# Altium PCB MLB_REV1.PcbDoc (part 1 of 3) (continued)
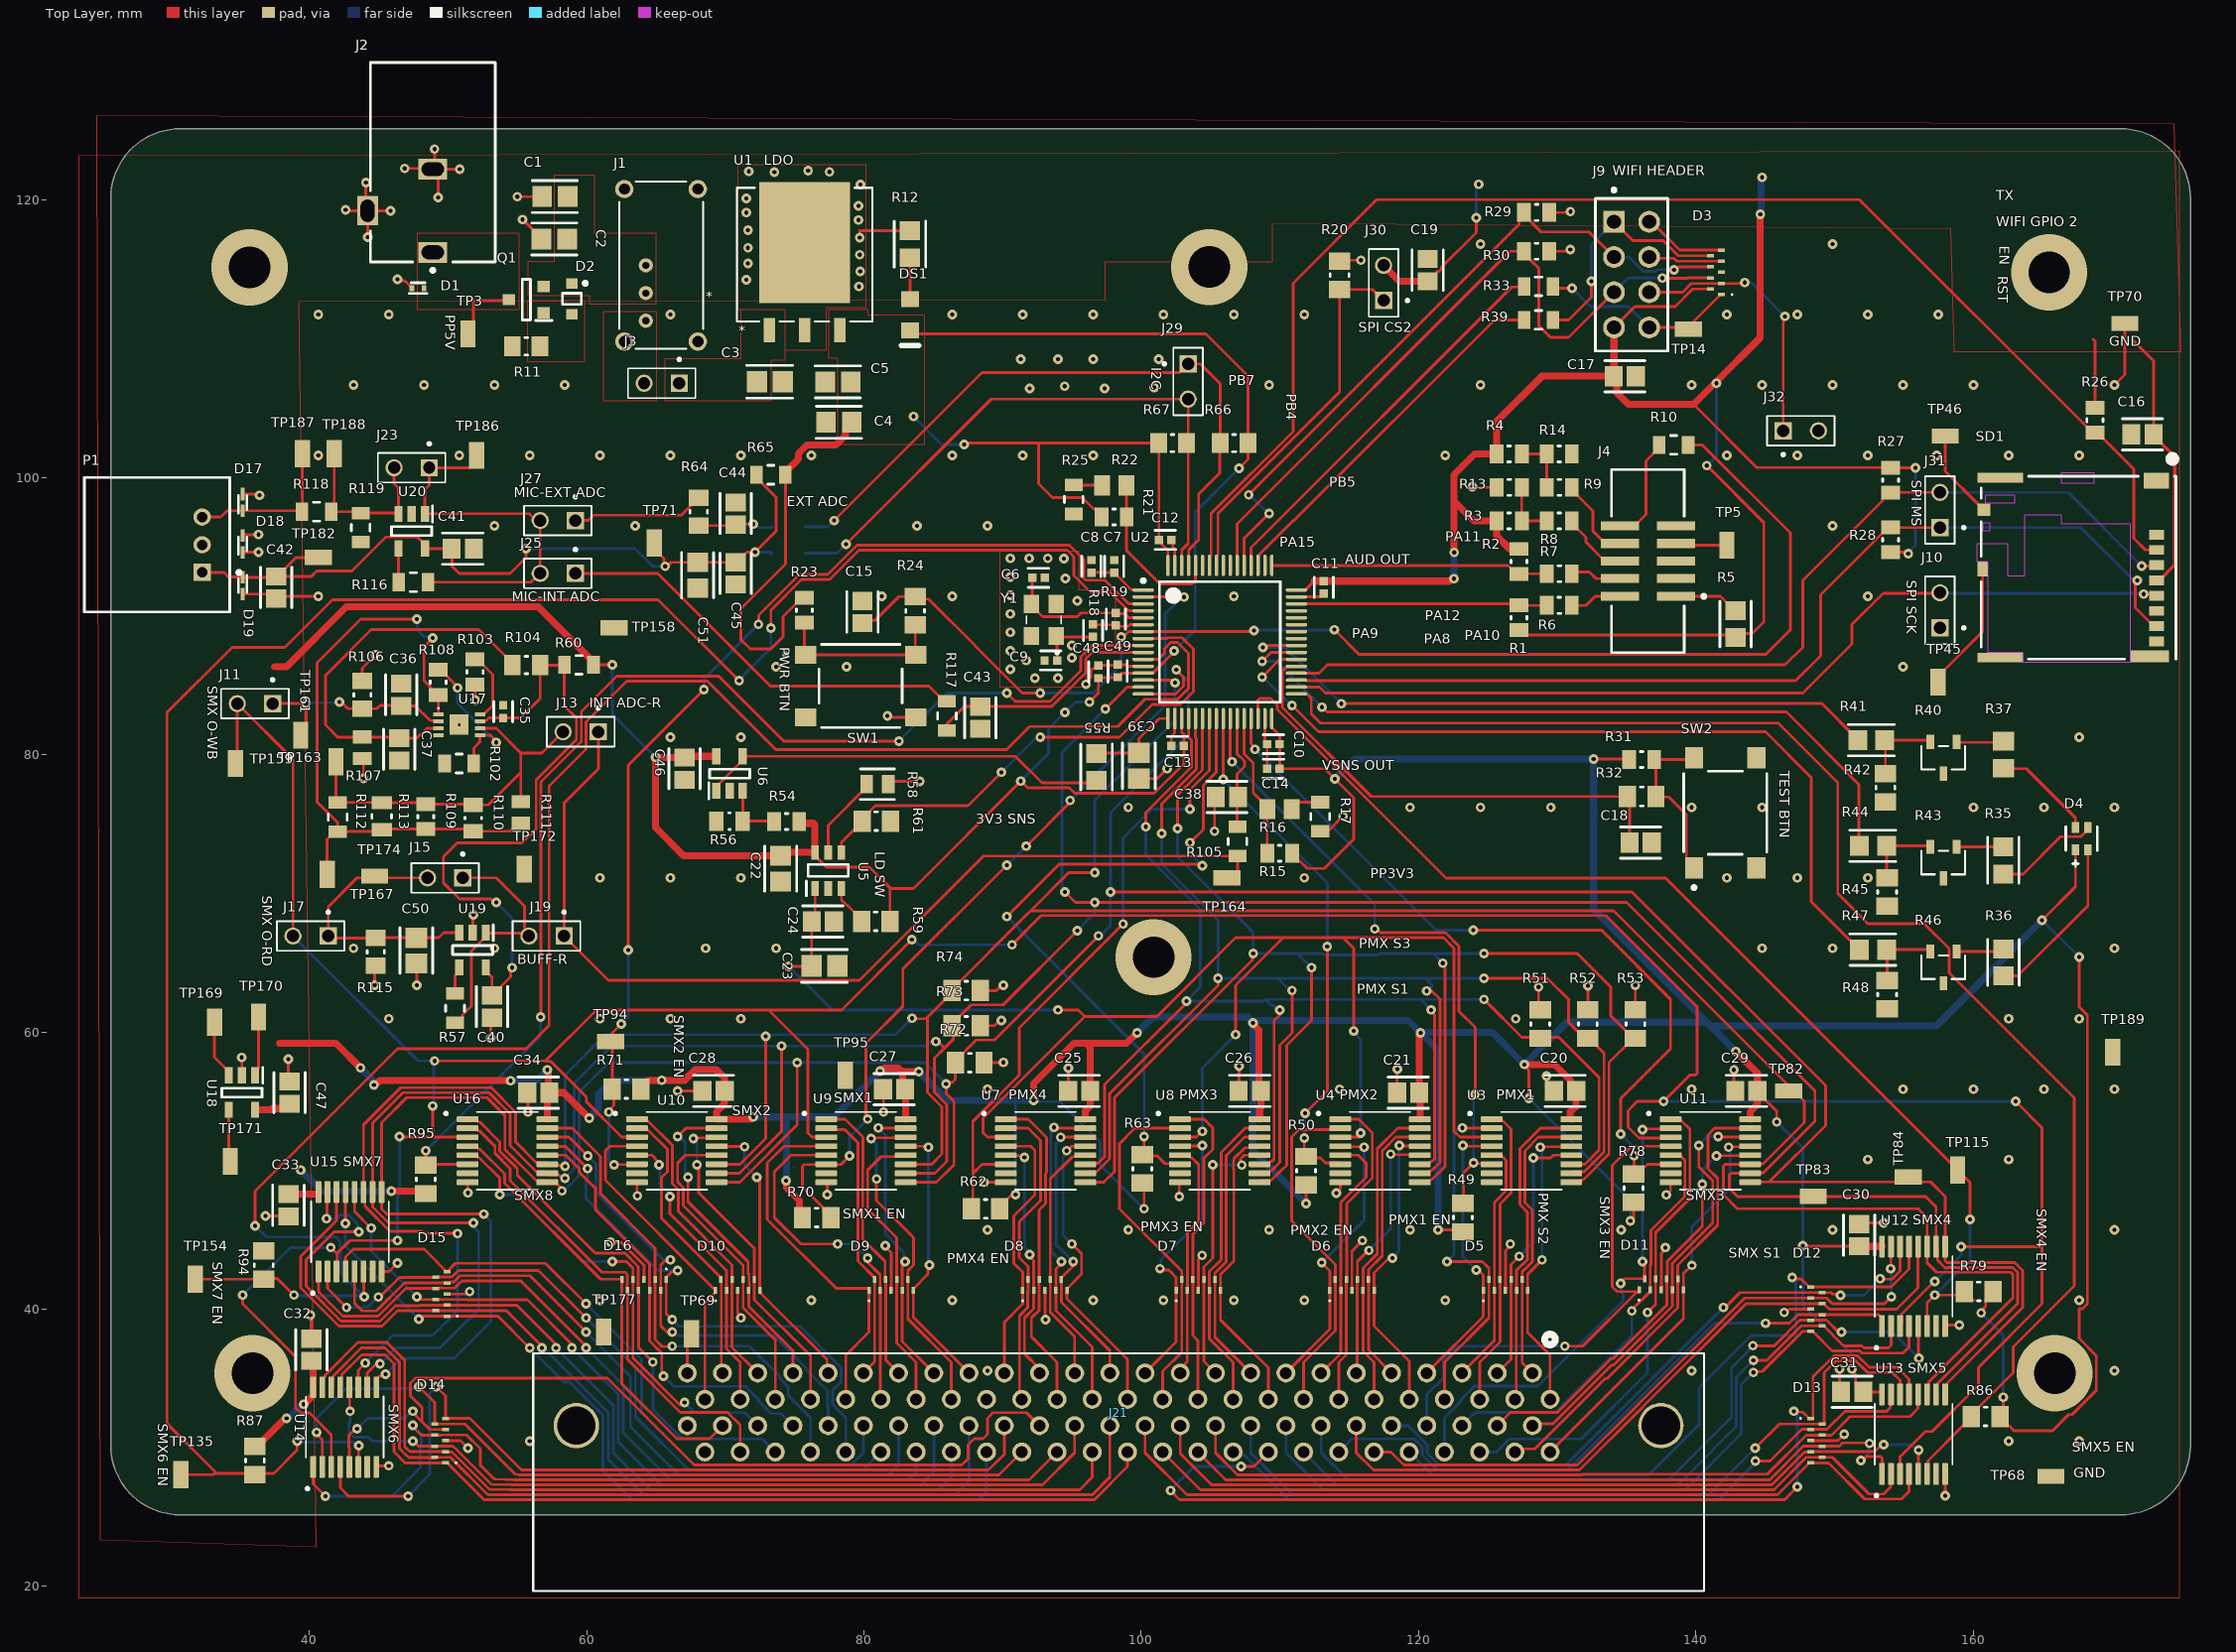
[diagram p0: Top Layer view]
## Components (designator, comment, footprint, x,y, rotation, side; value= is the part's Value field where it differs from the comment) (continued)
TP3 "RCU-0C" TP+195X110 51.435,110.363 r90 top
TP5 "RCU-0C" TP+195X110 142.24,95.123 r90 top
TP14 "RCU-0C" TP+195X110 139.463,110.713 r180 top
TP45 "RCU-0C" TP+195X110 157.477,85.252 r90 top
TP46 "RCU-0C" TP+195X110 157.988,102.997 r180 top
TP68 "RCU-0C" TP+195X110 165.608,27.94 r180 top
TP69 "RCU-0C" TP+195X110 67.564,38.227 r90 top
TP70 "RCU-0C" TP+195X110 170.942,111.125 r180 top
TP71 "RCU-0C" TP+195X110 64.864,95.289 r90 top
TP82 "RCU-0C" TP+195X110 146.685,55.753 r180 top
TP83 "RCU-0C" TP+195X110 148.463,48.133 r180 top
TP84 "RCU-0C" TP+195X110 155.321,49.53 r180 top
TP94 "RCU-0C" TP+195X110 61.722,59.309 r180 top
TP95 "RCU-0C" TP+195X110 78.643,56.879 r90 top
TP115 "RCU-0C" TP+195X110 158.877,50.038 r90 top
TP135 "RCU-0C" TP+195X110 30.734,28.067 r90 top
TP154 "RCU-0C" TP+195X110 31.75,42.164 r90 top
TP158 "RCU-0C" TP+195X110 61.976,89.154 r180 top
TP159 "RCU-0C" TP+195X110 34.671,79.375 r90 top
TP161 "RCU-0C" TP+195X110 39.37,81.407 r90 top
TP163 "RCU-0C" TP+195X110 41.91,79.502 r90 top
TP164 "RCU-0C" TP+195X110 106.172,71.12 r180 top
TP167 "RCU-0C" TP+195X110 41.275,71.374 r90 top
TP169 "RCU-0C" TP+195X110 33.147,60.706 r90 top
TP170 "RCU-0C" TP+195X110 36.322,61.087 r90 top
TP171 "RCU-0C" TP+195X110 34.29,50.673 r90 top
TP172 "RCU-0C" TP+195X110 55.499,71.755 r90 top
TP174 "RCU-0C" TP+195X110 44.704,71.247 r180 top
TP177 "RCU-0C" TP+195X110 61.214,38.354 r270 top
TP182 "RCU-0C" TP+195X110 40.64,94.234 r180 top
TP186 "RCU-0C" TP+195X110 52.07,101.6 r90 top
TP187 "RCU-0C" TP+195X110 39.497,101.727 r90 top
TP188 "RCU-0C" TP+195X110 41.783,101.727 r90 top
TP189 "RCU-0C" TP+195X110 170.053,58.547 r90 top
U1 "MIC37300-3.3WR-TR" S-PAK-3_R_MCH 75.71,116.081 r0 top
U2 "STM32L152RBT6A" STM-LQFP64_L 105.664,88.138 r0 top locked
U3 "NX3L4051PW,118" "SOP65P640X110-16N - duplicate" 128.143,51.435 r0 top
U4 "NX3L4051PW,118" "SOP65P640X110-16N - duplicate" 117.221,51.435 r0 top locked
U5 "AP22615AWU-7" SOT95P280X100-6N 77.413,71.659 r90 top
U6 "MCP6411T-E/OT" SOT95P280X145-5N 70.301,78.644 r90 top
U7 "NX3L4051PW,118" "SOP65P640X110-16N - duplicate" 93.091,51.435 r0 top locked
U8 "NX3L4051PW,118" "SOP65P640X110-16N - duplicate" 105.664,51.435 r0 top
U9 "NX3L4051PW,118" "SOP65P640X110-16N - duplicate" 80.137,51.435 r0 top locked
U10 "NX3L4051PW,118" "SOP65P640X110-16N - duplicate" 66.492,51.435 r0 top locked
U11 "NX3L4051PW,118" "SOP65P640X110-16N - duplicate" 141.046,51.435 r0 top locked
U12 "NX3L4051PW,118" "SOP65P640X110-16N - duplicate" 155.702,41.656 r90 top
U13 "NX3L4051PW,118" "SOP65P640X110-16N - duplicate" 155.702,30.988 r90 top locked
U14 "NX3L4051PW,118" "SOP65P640X110-16N - duplicate" 42.545,31.496 r90 top locked
U15 "NX3L4051PW,118" "SOP65P640X110-16N - duplicate" 42.926,45.593 r90 top locked
U16 "NX3L4051PW,118" "SOP65P640X110-16N - duplicate" 54.28,51.435 r0 top
U17 "MCP6N11T-001E/MNY" TDFN-MN8 50.8,82.169 r0 top
U18 "MCP6411T-E/OT" SOT95P280X145-5N 35.128,55.626 r270 top
U19 "MCP6411T-E/OT" SOT95P280X145-5N 51.765,65.913 r270 top
U20 "MCP6411T-E/OT" SOT95P280X145-5N 47.371,96.139 r270 top
U21 "MCP3221A7T-E/OT" SOT-23-OT5_M 74.549,95.504 r0 bottom
Y1 "ECS-200-9-33B-CKY-TR" XTAL_ECS-260-9-33B-CKY-TR 92.964,89.725 r90 top

## Footprints (in the part's own frame and the unit in brackets; to place one, negate y for a bottom-side part, rotate by r counter-clockwise, add the part's x,y. Pads: shape width x height; smd on the part's side, far side on the other; paste and mask are expansions set on the pad)
CNC_Tech_0_MFG [mm]
  rect 0.65x2.77 smd paste+0 mask+0: 1(-2.54,-2.015) 2(-2.54,2.015) 3(-1.27,-2.015) 4(-1.27,2.015) 5(0,-2.015) 6(0,2.015) 7(1.27,-2.015) 8(1.27,2.015) 9(2.54,-2.015) 10(2.54,2.015)
  silkscreen extent -6.6,-4.16 6.6,2.63, body extent -6.7,-3.5 6.7,3.5, height 0.25
CONN03_MFS_11P8X5P8_NDC [mil]
  round 40 hole 20 mask+0: 1(43.31,78.74) 2(43.31,0) 3(43.31,-78.74)
  round 52 hole 32: 4(104.33,137.8) 5(104.33,-295.28) 6(-104.33,137.8) 7(-104.33,-295.28)
  silkscreen extent -119,-316 119,159, body extent -113,-312 115,152, height 335
CONN100_1-787082-8_TEC [mil]
  round 53.86 hole 34 mask+0: 1(0,0) 2(-50,74.8) 3(-100,0) 4(-150,74.8) 5(-200,0) 6(-250,74.8) 7(-300,0) 8(-350,74.8) 9(-400,0) 10(-450,74.8) 11(-500,0) 12(-550,74.8) 13(-600,0) 14(-650,74.8) 15(-700,0) 16(-750,74.8) 17(-800,0) 18(-850,74.8) 19(-900,0) 20(-950,74.8) 21(-1000,0) 22(-1050,74.8) 23(-1100,0) 24(-1150,74.8) 25(-1200,0) 26(-1250,74.8) 27(-1300,0) 28(-1350,74.8) 29(-1400,0) 30(-1450,74.8) 31(-1500,0) 32(-1550,74.8) 33(-1600,0) 34(-1650,74.8) 35(-1700,0) 36(-1750,74.8) 37(-1800,0) 38(-1850,74.8) 39(-1900,0) 40(-1950,74.8) 41(-2000,0) 42(-2050,74.8) 43(-2100,0) 44(-2150,74.8) 45(-2200,0) 46(-2250,74.8) 47(-2300,0) 48(-2350,74.8) 49(-2400,0) 50(-2450,74.8) 51(0,-149.61) 52(-50,-74.8) 53(-100,-149.61) 54(-150,-74.8) 55(-200,-149.61) 56(-250,-74.8) 57(-300,-149.61) 58(-350,-74.8) 59(-400,-149.61) 60(-450,-74.8) 61(-500,-149.61) 62(-550,-74.8) 63(-600,-149.61) 64(-650,-74.8) 65(-700,-149.61) 66(-750,-74.8) 67(-800,-149.61) 68(-850,-74.8) 69(-900,-149.61) 70(-950,-74.8) 71(-1000,-149.61) 72(-1050,-74.8) 73(-1100,-149.61) 74(-1150,-74.8) 75(-1200,-149.61) 76(-1250,-74.8) 77(-1300,-149.61) 78(-1350,-74.8) 79(-1400,-149.61) 80(-1450,-74.8) 81(-1500,-149.61) 82(-1550,-74.8) 83(-1600,-149.61) 84(-1650,-74.8) 85(-1700,-149.61) 86(-1750,-74.8) 87(-1800,-149.61) 88(-1850,-74.8) 89(-1900,-149.61) 90(-1950,-74.8) 91(-2000,-149.61) 92(-2050,-74.8) 93(-2100,-149.61) 94(-2150,-74.8) 95(-2200,-149.61) 96(-2250,-74.8) 97(-2300,-149.61) 98(-2350,-74.8) 99(-2400,-149.61) 100(-2450,-74.8)
  round 128.74 hole 109: 101(-2764.96,-74.8) 102(314.96,-74.8)
  silkscreen extent -2887,-544 437,185, body extent 0,0 10,10, height 10
CUI-PJ-102BH_V [mm] "THD, 3-Leads, Body 14.4x9mm, Height 11mm"
  rect 1.5x2.1 hole 1 slot 1.6 at 90 deg: 1(-3,0) 2(3,0)
  rect 2.1x1.5 hole 1 slot 1.6 at 0 deg: 3(0,4.7)
  silkscreen extent -4.42,-4.5 10.7,4.5, body extent -3.7,-4.5 10.7,4.9, height 11
DIAL-0805-2_V [mm] "LED, 2-Leads, Body 2x1.25mm"
  rect 1.15x1.3 smd: 1(-1.125,0) 2(1.125,0)
  silkscreen extent -2.2,-0.62 -2.2,0.63, body extent -1.03,-0.63 1.03,0.64, height 0.71
DIOM106X45N#1 [mm]
  rect 0.325x0.4 smd: 1(-0.437,0) 2(0.437,0)
  silkscreen extent -0.64,-0.38 0.61,0.38, body extent -0.5,-0.3 0.5,0.3, height 0.4
DIOM106X45N#2 [mm]
  rect 0.9x0.3 smd: 1(-0.6,0) 2(0.6,0)
  silkscreen extent -0.75,-0.3 0.5,0.3, body extent -0.4,-0.3 0.5,0.3, height 0.45
FP-C0805C-DN-IPC_B [mm]
  rect 1.305x1.456 smd paste+0 mask+0: 1(-0.801,0) 2(0.801,0)
  silkscreen extent -1.45,-1.13 1.45,1.13, body extent -1.7,-0.98 1.7,0.98, height 0.25
FP-CC0402-IPC_B [mm]
  rect 0.6x0.6 smd paste+0 mask+0: 1(-0.452,0) 2(0.452,0)
  silkscreen extent -0.74,-0.69 0.74,0.69, body extent -0.89,-0.44 0.89,0.44, height 0.25
FP-CL21-IPC_A [mm]
  rect 1.455x1.556 smd paste+0 mask+0: 1(-0.926,0) 2(0.926,0)
  silkscreen extent -1.65,-1.18 1.65,1.18, body extent -2.15,-1.28 2.15,1.28, height 0.25
FP-CRCW0805-e3-MFG [mm]
  rect 0.95x1.45 smd paste+0 mask+0: 1(-0.975,0) 2(0.975,0)
  silkscreen extent -0.12,-0.7 0.12,0.7, body extent -1.55,-0.82 1.55,0.82, height 0.25
FP-CRGCQ0805-IPC_C [mm]
  rect 0.906x1.31 smd paste+0 mask+0: 1(-0.776,0) 2(0.776,0)
  silkscreen extent -1.23,-1.1 1.23,1.1, body extent -1.33,-0.8 1.33,0.8, height 0.25
FP-EAST1616RGBB4-MFG [mm]
  rect 0.8x0.55 smd paste+0 mask+0: 1(-0.8,-0.45) 2(-0.8,0.45) 3(0.8,0.45) 4(0.8,-0.45)
  silkscreen extent -0.86,-1.14 2,1.12, body extent -1.3,-0.95 1.3,0.95, height 0.25
FP-GRM21B-0_15-IPC_A [mm]
  rect 1.406x1.508 smd paste+0 mask+0: 1(-0.926,0) 2(0.926,0)
  silkscreen extent -1.63,-1.15 1.63,1.15, body extent -2.13,-1.25 2.13,1.25, height 0.25
FP-PPTC042LFBN-RC-MFG [mm]
  rect 1.57x1.57 hole 1.02 paste-1000 mask+0: 1(-3.81,-1.27)
  round 1.57 hole 1.02 paste-1000 mask+0: 2(-3.81,1.27) 3(-1.27,-1.27) 4(-1.27,1.27) 5(1.27,-1.27) 6(1.27,1.27) 7(3.81,-1.27) 8(3.81,1.27)
  silkscreen extent -6.23,-2.61 5.5,2.61, body extent -5.61,-2.72 5.61,2.72, height 0.25
FP-PTS645SM43SMTR92LFS-MFG [mm]
  rect 1.55x1.3 smd paste+0 mask+0: 1(-3.975,2.25) 2(3.975,2.25) 3(-3.975,-2.25) 4(3.975,-2.25)
  silkscreen extent -5.52,-3 3,3, body extent -4.85,-3.1 4.85,3.1, height 0.25
FP-RMCF0805-IPC_A [mm]
  rect 1.355x1.462 smd paste+0 mask+0: 1(-0.976,0) 2(0.976,0)
  silkscreen extent -1.65,-1.13 1.65,1.13, body extent -2.15,-1.23 2.15,1.23, height 0.25
FP-RMCF0805-MFG [mm]
  rect 0.9x1.3 smd paste+0 mask+0: 1(-1.05,0) 2(1.05,0)
  silkscreen extent -0.23,-0.67 0.22,0.67, body extent -1.6,-0.77 1.6,0.77, height 0.25
MOLX-35363-0360_V [mm] "THD, 3-Leads, Body 10.5x9.7mm, Pitch 2mm"
  rect 1.25x1.25 hole 0.75: 1(-2,-3.25)
  round 1.25 hole 0.75: 2(0,-3.25) 3(2,-3.25)
  silkscreen extent -4.85,-6.03 4.85,5.25, body extent -4.85,-5.25 4.85,5.25, height 5.45
MOLX-503398-1892_V [mm] "CONN, 8-Leads, Body 14.05x13.2mm, Pitch 1.1mm"
  rect 0.7x1.1 smd: 1(-2.38,6.27) 2(-1.28,6.27) 3(-0.18,6.27) 4(0.92,6.27) 5(2.02,6.27) 6(3.12,6.27) 7(4.22,6.27) 8(5.32,6.27)
  rect 1.05x0.78 smd: 9(0.095,-6.27)
  rect 0.9x0.93 smd: 10(-4.17,-6.195)
  rect 0.86x2.8 smd: 11(6.4,5.77)
  rect 0.7x3.3 smd: 12(6.48,-5.01) 13(-6.48,-5.01)
  rect 1.14x1.83 smd: 14(-6.26,6.255)
  Top Layer keep-out region: -6.83,-0.63 -6.13,-0.63 -6.13,1.77 -6.83,1.77
  Top Layer keep-out region: -5.235,-6.08 -4.685,-6.08 -4.685,-3.93 -5.235,-3.93
  Top Layer keep-out region: -3.22,-6.28 -2.67,-6.28 -2.67,-5.73 -3.22,-5.73
  Top Layer keep-out region: 6.83,4.37 6.83,-3.36 6.13,-3.36 6.13,-5.88 -0.43,-5.88 -0.43,-6.66 -1.73,-6.66 -1.73,-4.48 0.57,-4.48 0.57,-3.23 -3.82,-3.23 -3.82,-0.63 -3.17,-0.63 -3.17,4.37
  silkscreen extent -8.09,-6.38 6.6,7.67, body extent -6.55,-6.38 6.55,7.67, height 1.28
ONSC-SOD-323-2-477-02_V [mm] "SOD, 2-Leads, Body 1.7x1.25mm"
  rect 0.75x0.83 smd: 1(-1.115,0) 2(1.115,0)
  silkscreen extent -1.24,-0.67 0.4,1.09, body extent -1.35,-0.67 1.35,0.67, height 0.99
RESC0805(2012)_N [mm] "Chip Resistor, Body 2.0x1.3mm, IPC Medium Density"
  rect 1.05x1.4 smd: 1(-0.95,0) 2(0.95,0)
  silkscreen extent -0.05,-0.6 0.05,0.6, body extent -1.1,-0.67 1.1,0.68, height 0.7
RESC2013X50X30ML20T20 [mm] "Chip Resistor, 2-Leads, Body 2.00x1.25mm, IPC Low Density"
  rect 1.25x1.55 smd: 1(-1.025,0) 2(1.025,0)
  silkscreen extent -0.1,-0.67 0.1,0.67, body extent -1.1,-0.72 1.1,0.72, height 0.5
RESC2013X60X35ML10T20 [mm] "Chip Resistor, 2-Leads, Body 2.1x1.35mm, IPC Low Density"
  rect 1.2x1.45 smd: 1(-1,0) 2(1,0)
  silkscreen extent -0.1,-0.62 0.1,0.62, body extent -1.05,-0.68 1.05,0.67, height 0.6
RESC2013X60X35NL10T20 [mm] "Chip Resistor, 2-Leads, Body 2.1x1.35mm, IPC Medium Density"
  rect 1x1.35 smd: 1(-0.9,0) 2(0.9,0)
  silkscreen extent -0.1,-0.58 0.1,0.58, body extent -1.05,-0.68 1.05,0.67, height 0.6
RESC2013X70X40LL20T20 [mm] "Chip Resistor, 2-Leads, Body 2.00x1.25mm, IPC High Density"
  rect 0.95x1.35 smd: 1(-0.775,0) 2(0.775,0)
  body extent -1.1,-0.72 1.1,0.72, height 0.7
RESC2013X70X40ML20T20 [mm] "Chip Resistor, 2-Leads, Body 2.00x1.25mm, IPC Low Density"
  rect 1.35x1.55 smd: 1(-0.975,0) 2(0.975,0)
  body extent -1.1,-0.72 1.1,0.72, height 0.7
RESC2013X70X40NL20T20 [mm] "Chip Resistor, 2-Leads, Body 2.00x1.25mm, IPC Medium Density"
  rect 1.15x1.45 smd: 1(-0.875,0) 2(0.875,0)
  body extent -1.1,-0.72 1.1,0.72, height 0.7
S-PAK-3_R_MCH [mil]
  rect 33x69 smd paste+0 mask+0: 1(-100,-214.5) 2(0,-214.5) 3(100,-214.5)
  rect 258x344 smd paste+0 mask+0: 4(0,34)
  silkscreen extent -193,-190 192,190, body extent -187,-235 187,185, height 67
"SOP65P640X110-16N - duplicate" [mm]
  rrect25% 1.57x0.41 smd: 1(-2.87,2.275) 2(-2.87,1.625) 3(-2.87,0.975) 4(-2.87,0.325) 5(-2.87,-0.325) 6(-2.87,-0.975) 7(-2.87,-1.625) 8(-2.87,-2.275) 9(2.87,-2.275) 10(2.87,-1.625) 11(2.87,-0.975) 12(2.87,-0.325) 13(2.87,0.325) 14(2.87,0.975) 15(2.87,1.625) 16(2.87,2.275)
  silkscreen extent -4.54,-2.8 2.2,2.8, body extent -3.3,-2.55 3.3,2.55, height 1.09
SOT95P280X100-6N [mm]
  rect 1.05x0.55 smd: 1(-1.3,0.95) 2(-1.3,0) 3(-1.3,-0.95) 4(1.3,-0.95) 5(1.3,0) 6(1.3,0.95)
  silkscreen extent -1.83,-1.45 0.42,1.57, body extent -1.4,-1.45 1.4,1.45, height 1
SOT95P280X125-3N [mm]
  rect 0.9x0.8 smd: 1(-1.25,0.95) 2(-1.25,-0.95) 3(1.25,0)
  silkscreen extent -1.85,-1.48 0.3,1.5, body extent -1.4,-1.48 1.4,1.48, height 1.25
SOT95P280X145-5N [mm]
  rect 1.15x0.6 smd: 1(-1.25,0.95) 2(-1.25,0) 3(-1.25,-0.95) 4(1.25,-0.95) 5(1.25,0.95)
  silkscreen extent -1.83,-1.45 0.33,1.5, body extent -1.4,-1.45 1.4,1.45, height 1.45
SOT-23-OT5_M [mm] "SOT23, 5-Leads, Body 2.9x1.7mm, Pitch 0.95mm, Lead Span 2.8mm, IPC Low Density"
  rect 1.3x0.7 smd: 1(-1.2,0.95) 2(-1.2,0) 3(-1.2,-0.95) 4(1.2,-0.95) 5(1.2,0.95)
  silkscreen extent -1.32,-1.55 0.15,1.97, body extent -0.9,-1.55 0.9,1.55, height 1.45
SP7538PUTG [mm]
  rect 0.25x0.5 smd: 1(-1.6,-0.4) 2(-0.8,-0.4) 3(0,-0.4) 4(0.8,-0.4) 5(1.6,-0.4) 6(1.2,0.4) 7(0.4,0.4) 8(-0.4,0.4) 9(-1.2,0.4)
  silkscreen extent -1.65,-1.2 -1.55,-1.1, body extent -1.9,-0.5 1.9,0.5, height 0.65
STM-LQFP64_L [mm] "Thin QFP, 64-Leads, Body 10x10mm, Pitch 0.5mm, IPC High Density"
  oval 1.55x0.25 smd: 1(-5.525,3.75) 2(-5.525,3.25) 3(-5.525,2.75) 4(-5.525,2.25) 5(-5.525,1.75) 6(-5.525,1.25) 7(-5.525,0.75) 8(-5.525,0.25) 9(-5.525,-0.25) 10(-5.525,-0.75) 11(-5.525,-1.25) 12(-5.525,-1.75) 13(-5.525,-2.25) 14(-5.525,-2.75) 15(-5.525,-3.25) 16(-5.525,-3.75) 33(5.525,-3.75) 34(5.525,-3.25) 35(5.525,-2.75) 36(5.525,-2.25) 37(5.525,-1.75) 38(5.525,-1.25) 39(5.525,-0.75) 40(5.525,-0.25) 41(5.525,0.25) 42(5.525,0.75) 43(5.525,1.25) 44(5.525,1.75) 45(5.525,2.25) 46(5.525,2.75) 47(5.525,3.25) 48(5.525,3.75)
  oval 0.25x1.55 smd: 17(-3.75,-5.525) 18(-3.25,-5.525) 19(-2.75,-5.525) 20(-2.25,-5.525) 21(-1.75,-5.525) 22(-1.25,-5.525) 23(-0.75,-5.525) 24(-0.25,-5.525) 25(0.25,-5.525) 26(0.75,-5.525) 27(1.25,-5.525) 28(1.75,-5.525) 29(2.25,-5.525) 30(2.75,-5.525) 31(3.25,-5.525) 32(3.75,-5.525) 49(3.75,5.525) 50(3.25,5.525) 51(2.75,5.525) 52(2.25,5.525) 53(1.75,5.525) 54(1.25,5.525) 55(0.75,5.525) 56(0.25,5.525) 57(-0.25,5.525) 58(-0.75,5.525) 59(-1.25,5.525) 60(-1.75,5.525) 61(-2.25,5.525) 62(-2.75,5.525) 63(-3.25,5.525) 64(-3.75,5.525)
  silkscreen extent -5.65,-4.35 4.35,4.55, body extent -6.07,-6.07 6.07,6.07, height 1.6
TDFN-MN8 [mm] "SON, 8-Leads, Body 2x3mm, Pitch 0.5mm, Microchip Recommended"
  rect 0.75x0.3 smd: 1(-1.5,0.75) 2(-1.5,0.25) 3(-1.5,-0.25) 4(-1.5,-0.75) 5(1.5,-0.75) 6(1.5,-0.25) 7(1.5,0.25) 8(1.5,0.75)
  rect 1.36x1.46 smd: 9(0,0)
  silkscreen extent -1.55,1.15 -1.45,1.25, body extent -1.52,-1.02 1.52,1.02, height 0.8
TE_4-103328-1 [mm]
  rect 1.24x1.24 hole 0.89: 1(0,0)
  round 1.24 hole 0.89: 2(0,-2.54)
  silkscreen extent -1.82,-3.71 1.07,1.17
TP+195X110 [mm]
  rect 1.95x1.1 smd: 1(0,0)
  body extent -0.8,-0.42 0.8,0.42, height 1.17
TRANS_RK7002BMHZG_ROM [mil]
  rect 22x40 smd paste+0 mask+0: 1(-37.4,-45) 2(37.4,-45) 3(0,45)
  silkscreen extent -62,-33 62,34, body extent -57,-51 57,51, height 47
XTAL_ECS-260-9-33B-CKY-TR [mm]
  rect 1.3x1.1 smd: 1(-1.15,-0.9) 2(1.15,-0.9) 3(1.15,0.9) 4(-1.15,0.9)
  silkscreen extent -2.45,-1.25 0.27,1.25

## Part data
C1 C5 C22 C51: library part CMP-06035-038134-1, "Chip Multilayer Ceramic Capacitors for General Purpose, 0805, 10uF, X7R, 15%, 10%, 10V", Capacitance=10uF, Case/Package=0805, Dielectric=X7R, Manufacturer="Murata Electronics", Supplier Part Number=490-14381-1-ND, Tolerance=10%, Voltage Rating (DC)=10V, Length=2mm, Manufacturer Part Number=GRM21BR71A106KA73K, Supplier=Digi-Key, Thickness=1.25mm, Width=1.25mm
C2 C4: library part CMP-2000-06340-2, "Chip Multilayer Ceramic Capacitors for General Purpose, 0805, 22uF, X5R, 15%, 20%, 10V", Capacitance=22uF, Case Code (Imperial)=0805, Case Code (Metric)=2012, Dielectric=X5R, Manufacturer="Murata Electronics", Max Operating Temperature=85°C, Min Operating Temperature=-55°C, Package Quantity=3000, Supplier Part Number=490-10511-1-ND, Tolerance=20%, Voltage Rating=10V, Case/Package=0805, Depth=1.25mm, Height=1.25mm, Lead Free="Lead Free", Length=2mm, Manufacturer Part Number=GRM21BR61A226ME51L, Mount="Surface Mount", Packaging="Tape and Reel", Radiation Hardening=No, REACH SVHC="No SVHC", Supplier=Digi-Key, Termination=SMD/SMT, Thickness=0.055inch, Voltage Rating (DC)=10V, Weight=0.000335oz, Width=0.049inch
C3 C23 C39 C50: library part CMP-13271-003098-1, "CL21 Series 0805 1uF 16V ±10% Tolerance X7R Multilayer Ceramic Chip Capacitor", Capacitance=1uF, Case Code (Imperial)=0805, Case Code (Metric)=2012, Dielectric=X7R, Manufacturer="Samsung Electro-Mechanics", Max Operating Temperature=125°C, Min Operating Temperature=-55°C, Package Quantity=1, Supplier Part Number=1276-1026-1-ND, Tolerance=10%, Voltage=16V, Case/Package=0805, Contact Plating=Tin, Depth=1.25mm, Height=1.25mm, Lead Free="Lead Free", Length=2mm, Manufacturer Part Number=CL21B105KOFNNNE, Mount="Surface Mount", Packaging="Tape and Reel", Radiation Hardening=No, Supplier=Digi-Key, Thickness=0.053inch, Voltage Rating=16V, Voltage Rating (DC)=16V, Width=0.049inch
C6 C9: library part CMP-06035-028518-1, "Multi-Layer Ceramic Capacitor 14pF C0G  ±2% 0402 Paper T/R", Capacitance=14pF, Dielectric=C0G, Manufacturer="Murata Electronics", Package Reference=0402, Supplier Part Number=490-14443-1-ND, Tolerance=2%, Voltage Rating (DC)=50V, Length=1mm, Manufacturer Part Number=GJM1555C1H140GB01D, Supplier=Digi-Key, Thickness=500um, Width=500um
C7 C10 C11 C12 C13 C35 C49: library part CMP-03422-000048-1, "CAP CER 0.1UF 16V X7R 0402", Capacitance="100 nF", Manufacturer=YAGEO, Package=0402, Supplier Part Number=311-1338-1-ND, Temperature="-55°C to +125°C", Temperature Characteristic=X7R, Temperature Coefficient=30ppm/°C, Temperature Range High=+125°C, Temperature Range Low=-55°C, Tolerance=0.1, Voltage Rating="16 V", Automotive=No, Automotive Grade=NA, Category=Cap, ComponentLink2Description=Datasheet, ComponentLink2URL=http://www.yageo.com/documents/recent/UPY-GP_NP0_16V-to-50V_16.pdf, Device Class L1="Passive Components", Device Class L2=Capacitors, Device Class L3="Ceramic Capacitors", Digikey Description="CAP CER 0.1UF 16V X7R 0402", Footprint Url=http://www.yageo.com/exep/pages/download/literatures/UPY-C_GEN_24.pdf, Height=0.55mm, Ipc Land Pattern Name=CAPC10050X50, Lead Free=Yes, Manufacturer Part Number=CC0402KRX7R7BB104, Material=Ceramic, Mouser Description="0402 0.1 uF 16 V ±10 % Tolerance X7R SMT Multilayer Ceramic Capacitor", Octopart=https://octopart.com/cc0402krx7r7bb104-yageo-42244624, RoHS=TRUE, Supplier=Digi-Key
C8 C14: library part CMP-06035-044652-1, "Chip Multilayer Ceramic Capacitors for General Purpose, 0402, 10uF, X5R, 15%, 20%, 6.3V", Capacitance=10uF, Manufacturer="Murata Electronics", Package=0402, Supplier Part Number=490-GRM155R60J106ME05DCT-ND, Voltage=6.3V, Manufacturer Part Number=GRM155R60J106ME05D, Supplier=Digi-Key
C15 C16 C17 C18 C19 C20 C21 C24 C25 C26 C27 C28 C29 C30 C31 C32 C33 C34 C36 C37 C38 C40 C41 C42 C43 C44 C45 C46 C47: library part CMP-2007-00282-2, "CAP CER 0.1UF 25V 20% X7R 0805", Capacitance="0.10 μF", Manufacturer=KEMET, Package=0805, Supplier Part Number=399-C0805C104M3RAC7800CT-ND, Temperature="-55°C to +125°C", Temperature Characteristic=X7R, Temperature Coefficient=30ppm/°C, Temperature Range High=+125°C, Temperature Range Low=-55°C, Tolerance=0.2, Voltage Rating="25 V", Automotive=No, Category=Cap, ComponentLink2Description=Datasheet, ComponentLink2URL=https://content.kemet.com/datasheets/KEM_C1003_C0G_SMD.pdf, Device Class L1="Passive Components", Device Class L2=Capacitors, Device Class L3="Ceramic Capacitors", Digikey Description="CAP CER 0.1UF 25V 20% X7R 0805", Height=0.88mm, Ipc Land Pattern Name=CAPC200125X78, Lead Free=Yes, Manufacturer Part Number=C0805C104M3RACTU, Material=Ceramic, Mouser Description="Multilayer Ceramic Capacitors MLCC - SMD/SMT 25volts 0.1uF X7R 20%", Octopart=https://octopart.com/c0805c104m3ractu-kemet-9138612, RoHS=TRUE, Supplier=Digi-Key
C48: library part CMP-2100-03591-2, "CAP CER 1UF 6.3V X5R 0402", Capacitance="1 uF", Manufacturer=YAGEO, Package=0402, Supplier Part Number=311-1438-1-ND, Temperature="-55°C to +125°C", Temperature Characteristic=X5R, Temperature Coefficient=30ppm/°C, Temperature Range High=+125°C, Temperature Range Low=-55°C, Tolerance=0.1, Voltage Rating="6.3 V", Automotive=No, Automotive Grade=NA, Category=Cap, ComponentLink2Description=Datasheet, ComponentLink2URL=http://www.yageo.com/documents/recent/UPY-GP_NP0_16V-to-50V_16.pdf, Device Class L1="Passive Components", Device Class L2=Capacitors, Device Class L3="Ceramic Capacitors", Digikey Description="CAP CER 1UF 6.3V X5R 0402", Footprint Url=http://www.yageo.com/exep/pages/download/literatures/UPY-C_GEN_24.pdf, Height=0.55mm, Ipc Land Pattern Name=CAPC10050X50, Lead Free=Yes, Manufacturer Part Number=CC0402KRX5R5BB105, Material=Ceramic, Mouser Description="Multilayer Ceramic Capacitors MLCC - SMD/SMT 1uF 6.3V X5R 10%", Octopart=https://octopart.com/cc0402krx5r5bb105-yageo-42244618, RoHS=TRUE, Supplier=Digi-Key
D1 D17 D18 D19: "TVS DIODE 8VWM FSC", Manufacturer="Toshiba Semiconductor and Storage", Manufacturer_Name=Toshiba, Mouser Part Number=757-DF2S10FSL3M, Supplier Part Number=DF2S10FSL3MCT-ND, Arrow Part Number=DF2S10FS,L3M, Arrow Price/Stock=https://www.arrow.com/en/products/df2s10fsl3m/toshiba?region=nac, Datasheet Link=https://componentsearchengine.com/Datasheets/1/DF2S10FS,L3M.pdf, Height=0.45mm, Manufacturer Part Number=DF2S10FS,L3M, Manufacturer_Part_Number=DF2S10FS,L3M, Mouser Price/Stock=https://www.mouser.co.uk/ProductDetail/Toshiba/DF2S10FSL3M?qs=lhkzy8lC%252BSsM5fAm2E7mCQ%3D%3D, Supplier=Digi-Key
D2: "Zener Voltage Regulator, 300 mW, Tight Tolerance Portfolio, 2-Pin SOD-323, Pb-Free, Tape and Reel", Manufacturer="On Semiconductor", Supplier Part Number=MM3Z8V2ST1GOSCT-ND, Zener Voltage=8.2V, ComponentLink1Description="Manufacturer URL", ComponentLink1URL=http://www.onsemi.com/, ComponentLink2Description=Datasheet, ComponentLink2URL=http://www.onsemi.cn/pub_link/Collateral/MM3Z2V4ST1-D.PDF, ComponentLink3Description="Package Specification", ComponentLink3URL=http://www.onsemi.com/pub_link/Collateral/477-02.PDF.1, DatasheetVersion="Rev. 21", Manufacturer Part Number=MM3Z8V2ST1G, Mounting Technology="Surface Mount", P Max (W)=0.3W, PackageDescription="2-Pin SOD, Body 1.7 x 1.25 mm", PackageReference=SOD-323-2-477-02, PackageVersion="Rev. H, 03/2007", Packing="Tape and Reel", RoHS=Pb-Free, Supplier=Digi-Key
D3 D5 D6 D7 D8 D9 D10 D11 D12 D13 D14 D15 D16: "ESD Suppressor TVS Octal Uni-Dir 25kV 9-Pin UDFN T/R", Clamping Voltage=7V, Manufacturer=Littelfuse, Max Operating Temperature=150°C, Min Operating Temperature=-40°C, Peak Pulse Current=2A, Power Line Protection=Yes, Reverse Standoff Voltage=5V, Supplier Part Number=F7417CT-ND, Category="TVS Diodes", ComponentLink1Description=http://www.littelfuse.com/~/media/electronics/datasheets/tvs_diode_arrays/littelfuse_tvs_diode_array_sp7538p_datasheet.pdf.pdf?src-supplier=Farnell, ComponentLink1URL=http://www.littelfuse.com/~/media/electronics/datasheets/tvs_diode_arrays/littelfuse_tvs_diode_array_sp7538p_datasheet.pdf.pdf?src-supplier=Farnell, ComponentLink2Description=http://www.littelfuse.com/~/media/electronics/datasheets/tvs_diode_arrays/littelfuse_tvs_diode_array_sp7538p_datasheet.pdf.pdf?src-supplier=Digi-Key, ComponentLink2URL=http://www.littelfuse.com/~/media/electronics/datasheets/tvs_diode_arrays/littelfuse_tvs_diode_array_sp7538p_datasheet.pdf.pdf?src-supplier=Digi-Key, ComponentLink3Description=https://www.littelfuse.com/~/media/electronics/datasheets/tvs_diode_arrays/littelfuse_tvs_diode_array_sp7538p_datasheet.pdf.pdf?src-supplier=Digi-Key, ComponentLink3URL=https://www.littelfuse.com/~/media/electronics/datasheets/tvs_diode_arrays/littelfuse_tvs_diode_array_sp7538p_datasheet.pdf.pdf?src-supplier=Digi-Key, ComponentLink4Description=http://www.littelfuse.com/~/media/electronics/datasheets/tvs_diode_arrays/littelfuse_tvs_diode_array_sp7538p_datasheet.pdf.pdf?src-supplier=Arrow+Electronics, ComponentLink4URL=http://www.littelfuse.com/~/media/electronics/datasheets/tvs_diode_arrays/littelfuse_tvs_diode_array_sp7538p_datasheet.pdf.pdf?src-supplier=Arrow+Electronics, ComponentLink5Description=http://www.littelfuse.com/~/media/electronics/datasheets/tvs_diode_arrays/littelfuse_tvs_diode_array_sp7538p_datasheet.pdf.pdf?src-supplier=Mouser, ComponentLink5URL=http://www.littelfuse.com/~/media/electronics/datasheets/tvs_diode_arrays/littelfuse_tvs_diode_array_sp7538p_datasheet.pdf.pdf?src-supplier=Mouser, ComponentLink6Description=http://www.littelfuse.com/~/media/electronics/datasheets/tvs_diode_arrays/littelfuse_tvs_diode_array_sp7538p_datasheet.pdf.pdf?src-supplier=Verical, ComponentLink6URL=http://www.littelfuse.com/~/media/electronics/datasheets/tvs_diode_arrays/littelfuse_tvs_diode_array_sp7538p_datasheet.pdf.pdf?src-supplier=Verical, ComponentLink7Description=http://www.littelfuse.com/~/media/electronics/datasheets/tvs_diode_arrays/littelfuse_tvs_diode_array_sp7538p_datasheet.pdf.pdf?src-supplier=Newark, ComponentLink7URL=http://www.littelfuse.com/~/media/electronics/datasheets/tvs_diode_arrays/littelfuse_tvs_diode_array_sp7538p_datasheet.pdf.pdf?src-supplier=Newark, ComponentLink8Description=http://www.littelfuse.com/~/media/electronics/datasheets/tvs_diode_arrays/littelfuse_tvs_diode_array_sp7538p_datasheet.pdf.pdf?src-supplier=TTI, ComponentLink8URL=http://www.littelfuse.com/~/media/electronics/datasheets/tvs_diode_arrays/littelfuse_tvs_diode_array_sp7538p_datasheet.pdf.pdf?src-supplier=TTI, Manufacturer Part Number=SP7538PUTG, Mount="Surface Mount", Number of Pins=9, Number of Unidirectional Channels=8, Packaging="Cut Tape", Pricing 1="1=0.95000, 10=0.85200, 100=0.66410, 500=0.54862, 1000=0.43838 (USD)", RoHS=Yes, RoHS Compliant=Yes, Stock 1=40273, Supplier=Digi-Key